# Altium PCB STM32F207VC.PcbDoc (part 15 of 16) (continued)
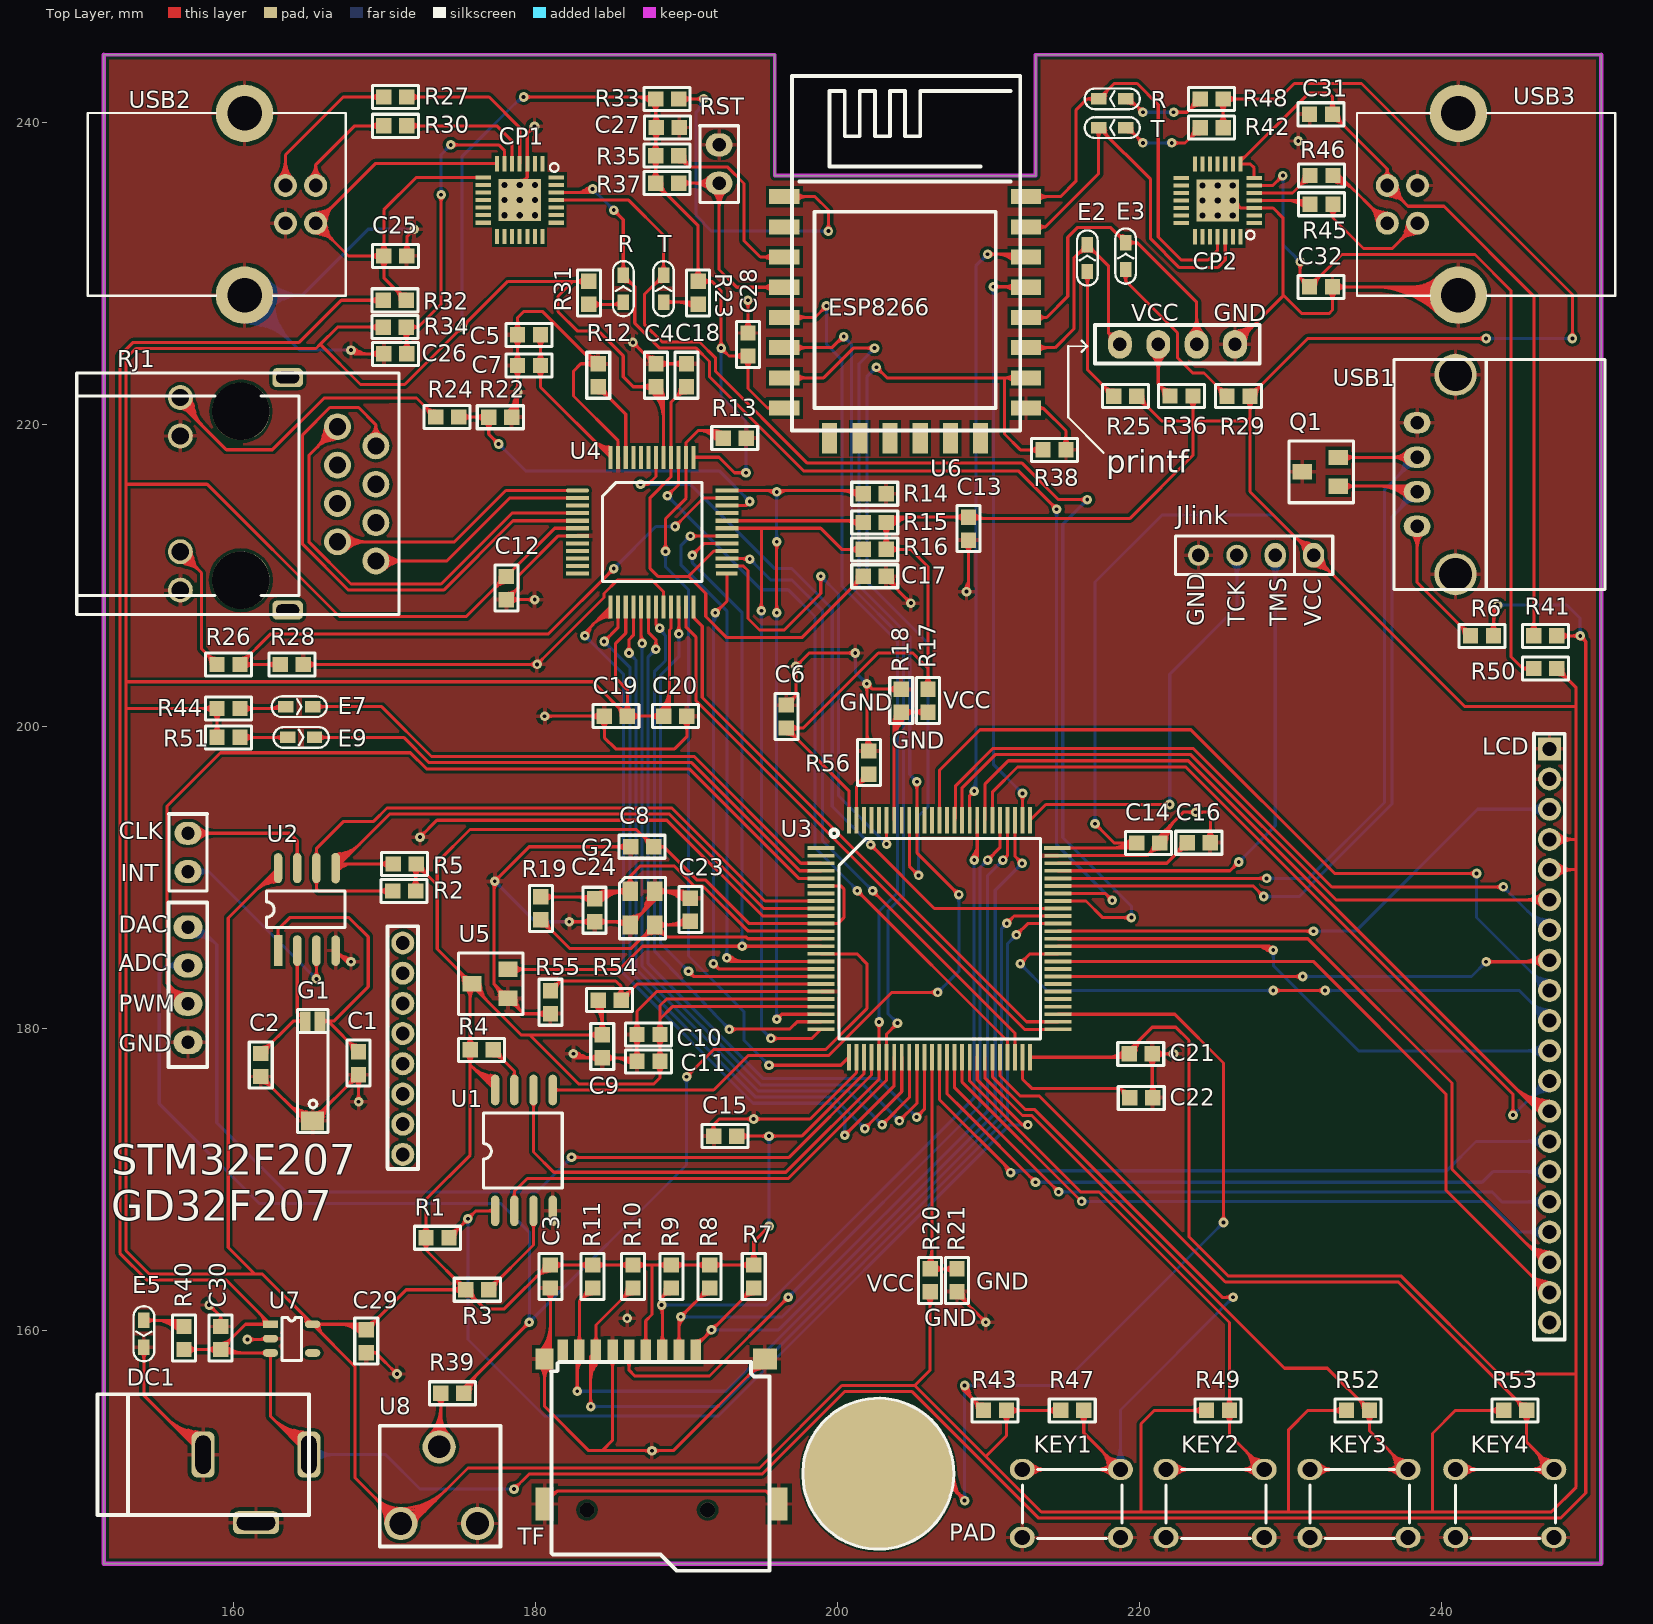
[diagram p0: Top Layer view]
## Nets (pads, with @x,y where several pads share a name; then routed paths per layer and width w, separated by ;. In a path a pad name is that pad's centre, name@x,y a point inside that pad or via, vN(x,y) a via of type N, cw(c..) or ccw(c..) an arc to the next point about the centre after c; other vN are vias at no path point) (continued)
; C15.1@193.599,172.566 cw(c194.293,171.872) 194.293,172.853 ; C15.1@193.599,172.566 cw(c194.293,171.872) 194.293,172.853 ; C15.1@193.599,173.14 ccw(c194.293,173.834) 194.293,172.853 ; C15.1@193.599,173.14 ccw(c194.293,173.834) 194.293,172.853 ; C15.1@193.599,173.14 ccw(c194.293,173.834) 194.293,172.853 ; C15.1@193.599,173.14 ccw(c194.293,173.834) 194.293,172.853 ; C28.1@193.775,224.231 cw(c193.081,223.537) 194.062,223.537 ; C28.1@193.775,224.231 cw(c193.081,223.537) 194.062,223.537 ; C28.1@193.775,224.231 cw(c193.081,223.537) 194.062,223.537 ; C28.1@193.775,224.231 cw(c193.081,223.537) 194.062,223.537 ; 194.062,223.537 cw(c195.043,223.537) C28.1@194.349,224.231 ; 194.062,223.537 cw(c195.043,223.537) C28.1@194.349,224.231 ; 194.062,223.537 cw(c195.043,223.537) C28.1@194.349,224.231 ; 194.062,223.537 cw(c195.043,223.537) C28.1@194.349,224.231 ; R7.2@194.156,164.608 ccw(c193.462,165.302) 194.443,165.302 ; R7.2@194.156,164.608 ccw(c193.462,165.302) 194.443,165.302 ; R7.2@194.156,164.608 ccw(c193.462,165.302) 194.443,165.302 ; R7.2@194.156,164.608 ccw(c193.462,165.302) 194.443,165.302 ; 194.443,165.302 ccw(c195.424,165.302) R7.2@194.73,164.608 ; 194.443,165.302 ccw(c195.424,165.302) R7.2@194.73,164.608 ; 194.443,165.302 ccw(c195.424,165.302) R7.2@194.73,164.608 ; 194.443,165.302 ccw(c195.424,165.302) R7.2@194.73,164.608 ; 194.932,172.853 cw(c194.932,172.332) v1@195.3,172.7 ; 194.932,172.853 ccw(c194.932,173.374) v1@195.3,173.006 ; 194.932,172.853 cw(c194.932,172.332) v1@195.3,172.7 ; 194.932,172.853 ccw(c194.932,173.374) v1@195.3,173.006 ; 194.932,172.853 ccw(c194.932,173.374) v1@195.3,173.006 ; 194.932,172.853 cw(c194.932,172.332) v1@195.3,172.7 ; 194.932,172.853 ccw(c194.932,173.374) v1@195.3,173.006 ; 194.932,172.853 cw(c194.932,172.332) v1@195.3,172.7 ; 195.084,166.509 cw(c195.453,166.141) v1@195.453,166.662 ; 195.084,166.509 ccw(c194.716,166.878) v1@195.237,166.878 ; 195.084,166.509 cw(c195.453,166.141) v1@195.453,166.662 ; 195.084,166.509 ccw(c194.716,166.878) v1@195.237,166.878 ; 195.084,166.509 ccw(c194.716,166.878) v1@195.237,166.878 ; 195.084,166.509 cw(c195.453,166.141) v1@195.453,166.662 ; 195.084,166.509 ccw(c194.716,166.878) v1@195.237,166.878 ; 195.084,166.509 cw(c195.453,166.141) v1@195.453,166.662 ; 195.159,166.586 cw(c195.533,166.486) v1@195.456,166.866 ; 195.159,166.586 cw(c195.533,166.486) v1@195.456,166.866 ; 195.159,166.586 cw(c195.533,166.486) v1@195.456,166.866 ; 195.159,166.586 cw(c195.533,166.486) v1@195.456,166.866 ; 195.159,166.586 cw(c195.533,166.486) v1@195.456,166.866 ; 195.159,166.586 cw(c195.533,166.486) v1@195.456,166.866 ; 195.161,166.584 ccw(c195.061,166.958) v1@195.441,166.881 ; 195.161,166.584 ccw(c195.061,166.958) v1@195.441,166.881 ; 195.161,166.584 ccw(c195.061,166.958) v1@195.441,166.881 ; 195.161,166.584 ccw(c195.061,166.958) v1@195.441,166.881 ; 195.161,166.584 ccw(c195.061,166.958) v1@195.441,166.881 ; 195.161,166.584 ccw(c195.061,166.958) v1@195.441,166.881 ; 195.357,221.077 cw(c195.357,220.804) U6.8@195.605,220.915 ; 195.357,221.077 ccw(c195.357,221.349) U6.8@195.605,221.238 ; 195.357,221.077 cw(c195.357,220.804) U6.8@195.605,220.915 ; 195.357,221.077 ccw(c195.357,221.349) U6.8@195.605,221.238 ; 195.357,221.077 ccw(c195.357,221.349) U6.8@195.605,221.238 ; 195.357,221.077 cw(c195.357,220.804) U6.8@195.605,220.915 ; 195.357,221.077 ccw(c195.357,221.349) U6.8@195.605,221.238 ; 195.357,221.077 cw(c195.357,220.804) U6.8@195.605,220.915 ; v1@195.606,172.7 cw(c195.974,172.332) 195.974,172.853 ; v1@195.606,172.7 cw(c195.974,172.332) 195.974,172.853 ; v1@195.606,172.7 cw(c195.974,172.332) 195.974,172.853 ; v1@195.606,172.7 cw(c195.974,172.332) 195.974,172.853 ; v1@195.606,173.006 ccw(c195.974,173.374) 195.974,172.853 ; v1@195.606,173.006 ccw(c195.974,173.374) 195.974,172.853 ; v1@195.606,173.006 ccw(c195.974,173.374) 195.974,172.853 ; v1@195.606,173.006 ccw(c195.974,173.374) 195.974,172.853 ; C6.1@196.602,199.474 cw(c196.602,198.493) 197.296,199.187 ; C6.1@196.602,199.474 cw(c196.602,198.493) 197.296,199.187 ; C6.1@196.602,199.474 cw(c196.602,198.493) 197.296,199.187 ; C6.1@196.602,199.474 cw(c196.602,198.493) 197.296,199.187 ; C6.1@196.602,199.881 cw(c196.459,199.185) 197.146,199.369 ; C6.1@196.602,199.881 ccw(c197.298,200.023) 197.114,199.337 ; C6.1@196.602,199.881 ccw(c197.298,200.023) 197.114,199.337 ; C6.1@196.602,199.881 cw(c196.459,199.185) 197.146,199.369 ; C6.1@196.602,199.881 ccw(c197.298,200.023) 197.114,199.337 ; C6.1@196.602,199.881 cw(c196.459,199.185) 197.146,199.369 ; C6.1@196.602,199.881 cw(c196.459,199.185) 197.146,199.369 ; C6.1@196.602,199.881 ccw(c197.298,200.023) 197.114,199.337 ; C6.1@196.602,199.881 cw(c196.459,199.185) 197.146,199.369 ; C6.1@196.602,199.881 ccw(c197.298,200.023) 197.114,199.337 ; C6.1@196.602,199.881 ccw(c197.298,200.023) 197.114,199.337 ; C6.1@196.602,199.881 cw(c196.459,199.185) 197.146,199.369 ; C6.1@196.602,199.881 197.722,199.881 202.692,204.851 204.978,204.851 205.988,203.841 ; C6.1@196.889,199.593 cw(c197.583,198.899) 197.583,199.881 ; C6.1@196.889,199.593 cw(c197.583,198.899) 197.583,199.881 ; C6.1@196.889,199.593 cw(c197.583,198.899) 197.583,199.881 ; C6.1@196.889,199.593 cw(c197.583,198.899) 197.583,199.881 ; C6.1@196.889,200.168 ccw(c197.583,200.862) 197.583,199.881 ; C6.1@196.889,200.168 ccw(c197.583,200.862) 197.583,199.881 ; C6.1@196.889,200.168 ccw(c197.583,200.862) 197.583,199.881 ; C6.1@196.889,200.168 ccw(c197.583,200.862) 197.583,199.881 ; C6.1@197.008,199.881 ccw(c197.989,199.881) 197.296,199.187 ; C6.1@197.008,199.881 ccw(c197.989,199.881) 197.296,199.187 ; C6.1@197.008,199.881 ccw(c197.989,199.881) 197.296,199.187 ; C6.1@197.008,199.881 ccw(c197.989,199.881) 197.296,199.187 ; R16.1@202.93,212.002 ccw(c202.236,212.696) 203.217,212.696 ; R16.1@202.93,212.002 ccw(c202.236,212.696) 203.217,212.696 ; R16.1@202.93,212.002 ccw(c202.236,212.696) 203.217,212.696 ; R16.1@202.93,212.002 ccw(c202.236,212.696) 203.217,212.696 ; R15.1@202.93,213.206 cw(c202.236,212.512) 203.217,212.512 ; R15.1@202.93,213.206 cw(c202.236,212.512) 203.217,212.512 ; R15.1@202.93,213.206 cw(c202.236,212.512) 203.217,212.512 ; R15.1@202.93,213.206 cw(c202.236,212.512) 203.217,212.512 ; R15.1@203.074,213.637 cw(c203.59,213.12) R15.1@203.59,213.851 ; R15.1@203.074,213.637 cw(c203.59,213.12) R15.1@203.59,213.851 ; R15.1@203.074,213.637 cw(c203.59,213.12) R15.1@203.59,213.851 ; R15.1@203.074,213.637 cw(c203.59,213.12) R15.1@203.59,213.851 ; 203.217,212.512 cw(c204.199,212.512) R15.1@203.505,213.206 ; 203.217,212.512 cw(c204.199,212.512) R15.1@203.505,213.206 ; 203.217,212.512 cw(c204.199,212.512) R15.1@203.505,213.206 ; 203.217,212.512 cw(c204.199,212.512) R15.1@203.505,213.206 ; 203.217,212.696 ccw(c204.199,212.696) R16.1@203.505,212.002 ; 203.217,212.696 ccw(c204.199,212.696) R16.1@203.505,212.002 ; 203.217,212.696 ccw(c204.199,212.696) R16.1@203.505,212.002 ; 203.217,212.696 ccw(c204.199,212.696) R16.1@203.505,212.002 ; R15.1@203.217,213.493 cw(c204.081,212.629) 204.081,213.851 ; R15.1@203.217,213.493 ccw(c203.551,213.716) 203.771,213.38 ; R15.1@203.217,213.493 ccw(c203.551,213.716) 203.771,213.38 ; R15.1@203.217,213.493 cw(c204.081,212.629) 204.081,213.851 ; R15.1@203.217,213.493 cw(c204.081,212.629) 204.081,213.851 ; R15.1@203.217,213.493 ccw(c203.551,213.716) 203.771,213.38 ; R15.1@203.217,213.493 ccw(c203.551,213.716) 203.771,213.38 ; R15.1@203.217,213.493 ccw(c203.551,213.716) 203.771,213.38 ; R15.1@203.217,213.493 cw(c204.081,212.629) 204.081,213.851 ; R15.1@203.217,213.493 R16.1@203.217,211.715 204.845,211.715 205.988,210.572 205.988,203.841 ; R15.1@203.217,213.493 203.575,213.851 C13.2@208.667,213.851 208.764,213.754 219.342,213.754 223.537,217.949 223.537,220.218 ; R15.1@203.354,213.643 ccw(c203.604,213.918) 203.789,213.596 ; R15.1@203.354,213.643 ccw(c203.604,213.918) 203.789,213.596 ; R15.1@203.354,213.643 ccw(c203.604,213.918) 203.789,213.596 ; R15.1@203.354,213.643 ccw(c203.604,213.918) 203.789,213.596 ; R15.1@203.354,213.643 ccw(c203.604,213.918) 203.789,213.596 ; R15.1@203.354,213.643 ccw(c203.604,213.918) 203.789,213.596 ; R15.1@203.361,213.349 cw(c204.571,212.139) 204.571,213.851 ; R15.1@203.361,213.349 cw(c204.571,212.139) 204.571,213.851 ; R15.1@203.361,213.349 cw(c204.571,212.139) 204.571,213.851 ; R15.1@203.361,213.349 cw(c204.571,212.139) 204.571,213.851 ; R15.1@203.386,213.606 ccw(c203.722,213.83) 203.943,213.492 ; R15.1@203.386,213.606 ccw(c203.722,213.83) 203.943,213.492 ; R15.1@203.386,213.606 ccw(c203.722,213.83) 203.943,213.492 ; R15.1@203.386,213.606 ccw(c203.722,213.83) 203.943,213.492 ; R15.1@203.386,213.606 ccw(c203.722,213.83) 203.943,213.492 ; R15.1@203.453,213.824 ccw(c203.621,214.059) 203.765,213.809 ; R15.1@203.453,213.824 ccw(c203.621,214.059) 203.765,213.809 ; R15.1@203.453,213.824 ccw(c203.621,214.059) 203.765,213.809 ; R15.1@203.453,213.824 ccw(c203.621,214.059) 203.765,213.809 ; R15.1@203.453,213.824 ccw(c203.621,214.059) 203.765,213.809 ; R15.1@203.453,213.824 ccw(c203.621,214.059) 203.765,213.809 ; R15.1@203.491,213.794 ccw(c203.8,214.134) 204.03,213.736 ; R15.1@203.491,213.794 ccw(c203.8,214.134) 204.03,213.736 ; R15.1@203.491,213.794 ccw(c203.8,214.134) 204.03,213.736 ; R15.1@203.491,213.794 ccw(c203.8,214.134) 204.03,213.736 ; R15.1@203.491,213.794 ccw(c203.8,214.134) 204.03,213.736 ; R15.1@203.491,213.794 ccw(c203.8,214.134) 204.03,213.736 ; R16.1@203.505,211.428 cw(c204.199,210.734) 204.199,211.715 ; R16.1@203.505,211.428 cw(c204.199,210.734) 204.199,211.715 ; R16.1@203.505,211.428 cw(c204.199,210.734) 204.199,211.715 ; R16.1@203.505,211.428 cw(c204.199,210.734) 204.199,211.715 ; R16.1@203.505,212.002 ccw(c204.199,212.696) 204.199,211.715 ; R16.1@203.505,212.002 ccw(c204.199,212.696) 204.199,211.715 ; R16.1@203.505,212.002 ccw(c204.199,212.696) 204.199,211.715 ; R16.1@203.505,212.002 ccw(c204.199,212.696) 204.199,211.715 ; R15.1@203.505,213.206 cw(c205.062,211.648) 205.062,213.851 ; R15.1@203.505,213.206 cw(c205.062,211.648) 205.062,213.851 ; R15.1@203.505,213.206 cw(c205.062,211.648) 205.062,213.851 ; R15.1@203.505,213.206 cw(c205.062,211.648) 205.062,213.851 ; R15.1@203.555,213.719 ccw(c203.893,213.944) 204.115,213.604 ; R15.1@203.555,213.719 ccw(c203.893,213.944) 204.115,213.604 ; R15.1@203.555,213.719 ccw(c203.893,213.944) 204.115,213.604 ; R15.1@203.555,213.719 ccw(c203.893,213.944) 204.115,213.604 ; R15.1@203.555,213.719 ccw(c203.893,213.944) 204.115,213.604 ; R15.1@203.61,213.388 cw(c203.91,213.307) 203.755,213.577 ; R15.1@203.61,213.388 cw(c203.91,213.307) 203.755,213.577 ; R15.1@203.61,213.388 cw(c203.91,213.307) 203.755,213.577 ; R15.1@203.61,213.388 cw(c203.91,213.307) 203.755,213.577 ; R15.1@203.61,213.388 cw(c203.91,213.307) 203.755,213.577 ; R15.1@203.61,213.388 cw(c203.91,213.307) 203.755,213.577 ; R15.1@203.622,213.532 cw(c203.909,213.559) 203.765,213.809 ; R15.1@203.622,213.532 cw(c203.909,213.559) 203.765,213.809 ; R15.1@203.622,213.532 cw(c203.909,213.559) 203.765,213.809 ; R15.1@203.622,213.532 cw(c203.909,213.559) 203.765,213.809 ; R15.1@203.622,213.532 cw(c203.909,213.559) 203.765,213.809 ; R15.1@203.622,213.532 cw(c203.909,213.559) 203.765,213.809 ; 205.105,156.337 209.804,151.638 ; R17.1@205.701,202.743 ccw(c205.007,203.437) 205.988,203.437 ; R17.1@205.701,202.743 ccw(c205.007,203.437) 205.988,203.437 ; R17.1@205.701,202.743 ccw(c205.007,203.437) 205.988,203.437 ; R17.1@205.701,202.743 ccw(c205.007,203.437) 205.988,203.437 ; R20.1@205.84,162.255 cw(c205.146,161.561) 206.127,161.561 ; R20.1@205.84,162.255 cw(c205.146,161.561) 206.127,161.561 ; R20.1@205.84,162.255 cw(c205.146,161.561) 206.127,161.561 ; R20.1@205.84,162.255 cw(c205.146,161.561) 206.127,161.561 ; 205.988,203.437 ccw(c206.969,203.437) R17.1@206.275,202.743 ; 205.988,203.437 ccw(c206.969,203.437) R17.1@206.275,202.743 ; 205.988,203.437 ccw(c206.969,203.437) R17.1@206.275,202.743 ; 205.988,203.437 ccw(c206.969,203.437) R17.1@206.275,202.743 ; 206.127,161.561 cw(c207.108,161.561) R20.1@206.414,162.255 ; 206.127,161.561 cw(c207.108,161.561) R20.1@206.414,162.255 ; 206.127,161.561 cw(c207.108,161.561) R20.1@206.414,162.255 ; 206.127,161.561 cw(c207.108,161.561) R20.1@206.414,162.255 ; 207.686,213.851 cw(c207.686,212.869) C13.2@208.38,213.563 ; 207.686,213.851 ccw(c207.686,214.832) C13.2@208.38,214.138 ; 207.686,213.851 cw(c207.686,212.869) C13.2@208.38,213.563 ; 207.686,213.851 ccw(c207.686,214.832) C13.2@208.38,214.138 ; 207.686,213.851 ccw(c207.686,214.832) C13.2@208.38,214.138 ; 207.686,213.851 cw(c207.686,212.869) C13.2@208.38,213.563 ; 207.686,213.851 ccw(c207.686,214.832) C13.2@208.38,214.138 ; 207.686,213.851 cw(c207.686,212.869) C13.2@208.38,213.563 ; C13.2@208.811,213.994 ccw(c209.392,214.575) 209.392,213.754 ; C13.2@208.811,213.994 ccw(c209.392,214.575) 209.392,213.754 ; C13.2@208.811,213.994 ccw(c209.392,214.575) 209.392,213.754 ; C13.2@208.811,213.994 ccw(c209.392,214.575) 209.392,213.754 ; C13.2@208.954,213.563 cw(c209.414,213.103) 209.414,213.754 ; C13.2@208.954,213.563 cw(c209.414,213.103) 209.414,213.754 ; C13.2@208.954,213.563 cw(c209.414,213.103) 209.414,213.754 ; C13.2@208.954,213.563 cw(c209.414,213.103) 209.414,213.754 ; C13.2@208.954,214.138 ccw(c209.882,215.066) 209.882,213.754 ; C13.2@208.954,214.138 ccw(c209.882,215.066) 209.882,213.754 ; C13.2@208.954,214.138 ccw(c209.882,215.066) 209.882,213.754 ; C13.2@208.954,214.138 ccw(c209.882,215.066) 209.882,213.754 ; 209.804,151.638 213.487,147.955 220.091,147.955 ; R43.2@210.896,154.405 cw(c210.202,153.711) 211.184,153.711 ; R43.2@210.896,154.405 cw(c210.202,153.711) 211.184,153.711 ; R43.2@210.896,154.405 cw(c210.202,153.711) 211.184,153.711 ; R43.2@210.896,154.405 cw(c210.202,153.711) 211.184,153.711 ; 211.184,153.711 cw(c212.165,153.711) R43.2@211.471,154.405 ; 211.184,153.711 cw(c212.165,153.711) R43.2@211.471,154.405 ; 211.184,153.711 cw(c212.165,153.711) R43.2@211.471,154.405 ; 211.184,153.711 cw(c212.165,153.711) R43.2@211.471,154.405 ; R43.2@211.471,154.405 cw(c212.165,153.711) 212.165,154.692 ; R43.2@211.471,154.405 cw(c212.165,153.711) 212.165,154.692 ; R43.2@211.471,154.405 cw(c212.165,153.711) 212.165,154.692 ; R43.2@211.471,154.405 cw(c212.165,153.711) 212.165,154.692 ; R43.2@211.471,154.979 ccw(c212.165,155.673) 212.165,154.692 ; R43.2@211.471,154.979 ccw(c212.165,155.673) 212.165,154.692 ; R43.2@211.471,154.979 ccw(c212.165,155.673) 212.165,154.692 ; R43.2@211.471,154.979 ccw(c212.165,155.673) 212.165,154.692 ; 213.793,154.692 cw(c213.793,153.711) R47.2@214.487,154.405 ; 213.793,154.692 ccw(c213.793,155.673) R47.2@214.487,154.979 ; 213.793,154.692 cw(c213.793,153.711) R47.2@214.487,154.405 ; 213.793,154.692 ccw(c213.793,155.673) R47.2@214.487,154.979 ; 213.793,154.692 ccw(c213.793,155.673) R47.2@214.487,154.979 ; 213.793,154.692 cw(c213.793,153.711) R47.2@214.487,154.405 ; 213.793,154.692 ccw(c213.793,155.673) R47.2@214.487,154.979 ; 213.793,154.692 cw(c213.793,153.711) R47.2@214.487,154.405 ; v1@217.04,193.536 cw(c216.963,193.156) 217.337,193.256 ; v1@217.04,193.536 cw(c216.963,193.156) 217.337,193.256 ; v1@217.04,193.536 cw(c216.963,193.156) 217.337,193.256 ; v1@217.04,193.536 cw(c216.963,193.156) 217.337,193.256 ; v1@217.04,193.536 cw(c216.963,193.156) 217.337,193.256 ; v1@217.04,193.536 cw(c216.963,193.156) 217.337,193.256 ; v1@217.043,193.332 cw(c217.043,192.811) 217.412,193.179 ; v1@217.043,193.332 cw(c217.043,192.811) 217.412,193.179 ; v1@217.043,193.332 cw(c217.043,192.811) 217.412,193.179 ; v1@217.043,193.332 cw(c217.043,192.811) 217.412,193.179 ; v1@217.055,193.551 ccw(c217.435,193.628) 217.335,193.254 ; v1@217.055,193.551 ccw(c217.435,193.628) 217.335,193.254 ; v1@217.055,193.551 ccw(c217.435,193.628) 217.335,193.254 ; v1@217.055,193.551 ccw(c217.435,193.628) 217.335,193.254 ; v1@217.055,193.551 ccw(c217.435,193.628) 217.335,193.254 ; v1@217.055,193.551 ccw(c217.435,193.628) 217.335,193.254 ; v1@217.259,193.548 ccw(c217.78,193.548) 217.412,193.179 ; v1@217.259,193.548 ccw(c217.78,193.548) 217.412,193.179 ; v1@217.259,193.548 ccw(c217.78,193.548) 217.412,193.179 ; v1@217.259,193.548 ccw(c217.78,193.548) 217.412,193.179 ; 217.789,178.078 ccw(c217.789,179.824) C21.1@219.024,178.589 ; 217.789,178.078 ccw(c217.789,179.824) C21.1@219.024,178.589 ; 217.789,178.078 ccw(c217.789,179.824) C21.1@219.024,178.589 ; 217.789,178.078 ccw(c217.789,179.824) C21.1@219.024,178.589 ; 218.008,191.928 ccw(c218.008,194.084) C14.1@219.532,192.559 ; 218.008,191.928 ccw(c218.008,194.084) C14.1@219.532,192.559 ; 218.008,191.928 ccw(c218.008,194.084) C14.1@219.532,192.559 ; 218.008,191.928 ccw(c218.008,194.084) C14.1@219.532,192.559 ; 218.28,178.078 ccw(c218.28,179.334) C21.1@219.168,178.446 ; 218.28,178.078 ccw(c218.28,179.334) C21.1@219.168,178.446 ; 218.28,178.078 ccw(c218.28,179.334) C21.1@219.168,178.446 ; 218.28,178.078 ccw(c218.28,179.334) C21.1@219.168,178.446 ; 218.498,191.928 ccw(c218.498,193.593) C14.1@219.676,192.416 ; 218.498,191.928 ccw(c218.498,193.593) C14.1@219.676,192.416 ; 218.498,191.928 ccw(c218.498,193.593) C14.1@219.676,192.416 ; 218.498,191.928 ccw(c218.498,193.593) C14.1@219.676,192.416 ; 218.771,178.078 ccw(c218.771,178.843) C21.1@219.312,178.302 ; 218.771,178.078 ccw(c218.771,178.843) C21.1@219.312,178.302 ; 218.771,178.078 ccw(c218.771,178.843) C21.1@219.312,178.302 ; 218.771,178.078 ccw(c218.771,178.843) C21.1@219.312,178.302 ; 218.774,178.218 ccw(c218.619,178.488) C21.1@218.919,178.407 ; 218.774,178.218 ccw(c218.619,178.488) C21.1@218.919,178.407 ; 218.774,178.218 ccw(c218.619,178.488) C21.1@218.919,178.407 ; 218.774,178.218 ccw(c218.619,178.488) C21.1@218.919,178.407 ; 218.774,178.218 ccw(c218.619,178.488) C21.1@218.919,178.407 ; 218.774,178.218 ccw(c218.619,178.488) C21.1@218.919,178.407 ; 218.838,192.272 cw(c218.838,191.291) C14.1@219.532,191.985 ; 218.838,192.272 ccw(c218.838,193.253) C14.1@219.532,192.559 ; 218.838,192.272 cw(c218.838,191.291) C14.1@219.532,191.985 ; 218.838,192.272 ccw(c218.838,193.253) C14.1@219.532,192.559 ; 218.838,192.272 ccw(c218.838,193.253) C14.1@219.532,192.559 ; 218.838,192.272 cw(c218.838,191.291) C14.1@219.532,191.985 ; 218.838,192.272 ccw(c218.838,193.253) C14.1@219.532,192.559 ; 218.838,192.272 cw(c218.838,191.291) C14.1@219.532,191.985 ; 218.924,192.166 cw(c219.143,191.828) C14.1@219.48,192.049 ; 218.924,192.166 cw(c219.143,191.828) C14.1@219.48,192.049 ; 218.924,192.166 cw(c219.143,191.828) C14.1@219.48,192.049 ; 218.924,192.166 cw(c219.143,191.828) C14.1@219.48,192.049 ; 218.924,192.166 cw(c219.143,191.828) C14.1@219.48,192.049 ; 218.989,191.928 ccw(c218.989,193.103) C14.1@219.82,192.272 ; 218.989,191.928 ccw(c218.989,193.103) C14.1@219.82,192.272 ; 218.989,191.928 ccw(c218.989,193.103) C14.1@219.82,192.272 ; 218.989,191.928 ccw(c218.989,193.103) C14.1@219.82,192.272 ; 219.028,192.041 cw(c219.241,191.671) C14.1@219.538,191.979 ; 219.028,192.041 cw(c219.241,191.671) C14.1@219.538,191.979 ; 219.028,192.041 cw(c219.241,191.671) C14.1@219.538,191.979 ; 219.028,192.041 cw(c219.241,191.671) C14.1@219.538,191.979 ; 219.028,192.041 cw(c219.241,191.671) C14.1@219.538,191.979 ; 219.028,192.041 cw(c219.241,191.671) C14.1@219.538,191.979 ; 219.096,192.277 cw(c219.314,191.94) C14.1@219.65,192.16 ; 219.096,192.277 cw(c219.314,191.94) C14.1@219.65,192.16 ; 219.096,192.277 cw(c219.314,191.94) C14.1@219.65,192.16 ; 219.096,192.277 cw(c219.314,191.94) C14.1@219.65,192.16 ; 219.096,192.277 cw(c219.314,191.94) C14.1@219.65,192.16 ; 219.262,192.176 cw(c219.436,191.874) C14.1@219.679,192.126 ; 219.262,192.176 cw(c219.436,191.874) C14.1@219.679,192.126 ; 219.262,192.176 cw(c219.436,191.874) C14.1@219.679,192.126 ; 219.262,192.176 cw(c219.436,191.874) C14.1@219.679,192.126 ; 219.262,192.176 cw(c219.436,191.874) C14.1@219.679,192.126 ; 219.262,192.176 cw(c219.436,191.874) C14.1@219.679,192.126 ; 219.268,192.388 cw(c219.485,192.052) C14.1@219.82,192.272 ; 219.268,192.388 cw(c219.485,192.052) C14.1@219.82,192.272 ; 219.268,192.388 cw(c219.485,192.052) C14.1@219.82,192.272 ; 219.268,192.388 cw(c219.485,192.052) C14.1@219.82,192.272 ; 219.268,192.388 cw(c219.485,192.052) C14.1@219.82,192.272 ; C21.1@219.276,178.502 ccw(c219.188,178.987) 219.664,178.859 ; C21.1@219.276,178.502 ccw(c219.188,178.987) 219.664,178.859 ; C21.1@219.276,178.502 ccw(c219.188,178.987) 219.664,178.859 ; C21.1@219.276,178.502 ccw(c219.188,178.987) 219.664,178.859 ; C21.1@219.276,178.502 ccw(c219.188,178.987) 219.664,178.859 ; C21.1@219.276,178.502 ccw(c219.188,178.987) 219.664,178.859 ; 219.282,192.188 ccw(c219.127,192.458) C14.1@219.427,192.377 ; 219.282,192.188 ccw(c219.127,192.458) C14.1@219.427,192.377 ; 219.282,192.188 ccw(c219.127,192.458) C14.1@219.427,192.377 ; 219.282,192.188 ccw(c219.127,192.458) C14.1@219.427,192.377 ; 219.282,192.188 ccw(c219.127,192.458) C14.1@219.427,192.377 ; 219.282,192.188 ccw(c219.127,192.458) C14.1@219.427,192.377 ; 219.293,191.968 cw(c219.419,191.75) C14.1@219.572,191.95 ; 219.293,191.968 ccw(c219.167,192.186) C14.1@219.417,192.219 ; 219.293,191.968 cw(c219.419,191.75) C14.1@219.572,191.95 ; 219.293,191.968 ccw(c219.167,192.186) C14.1@219.417,192.219 ; 219.293,191.968 cw(c219.419,191.75) C14.1@219.572,191.95 ; 219.293,191.968 ccw(c219.167,192.186) C14.1@219.417,192.219 ; 219.293,191.968 ccw(c219.167,192.186) C14.1@219.417,192.219 ; 219.293,191.968 cw(c219.419,191.75) C14.1@219.572,191.95 ; 219.293,191.968 ccw(c219.167,192.186) C14.1@219.417,192.219 ; 219.293,191.968 cw(c219.419,191.75) C14.1@219.572,191.95 ; 219.293,191.968 ccw(c219.167,192.186) C14.1@219.417,192.219 ; 219.293,191.968 cw(c219.419,191.75) C14.1@219.572,191.95 ; C21.1@219.312,178.302 ccw(c218.948,179.211) 219.894,178.958 ; C21.1@219.312,178.302 ccw(c218.948,179.211) 219.894,178.958 ; C21.1@219.312,178.302 ccw(c218.948,179.211) 219.894,178.958 ; C21.1@219.312,178.302 ccw(c218.948,179.211) 219.894,178.958 ; C21.1@219.312,178.302 ccw(c218.948,179.211) 219.894,178.958 ; C21.1@219.312,178.302 ccw(c218.948,179.211) 219.894,178.958 ; C21.1@219.312,178.302 219.312,178.545 220.833,180.066 222.397,180.066 223.266,179.197 223.266,166.183 225.847,163.601 237.301,163.601 243.803,157.099 248.913,157.099 ; C21.1@219.312,178.708 ccw(c219.312,179.104) 219.591,178.824 ; C21.1@219.312,178.708 ccw(c219.312,179.104) 219.591,178.824 ; C21.1@219.312,178.708 ccw(c219.312,179.104) 219.591,178.824 ; C21.1@219.312,178.708 ccw(c219.312,179.104) 219.591,178.824 ; C21.1@219.387,178.113 ccw(c219.136,178.741) C21.1@219.789,178.566 ; C21.1@219.387,178.113 ccw(c219.136,178.741) C21.1@219.789,178.566 ; C21.1@219.387,178.113 ccw(c219.136,178.741) C21.1@219.789,178.566 ; C21.1@219.387,178.113 ccw(c219.136,178.741) C21.1@219.789,178.566 ; C21.1@219.387,178.113 ccw(c219.136,178.741) C21.1@219.789,178.566 ; C21.1@219.387,178.113 ccw(c219.136,178.741) C21.1@219.789,178.566 ; C21.1@219.515,178.302 cw(c220.591,178.302) 219.83,179.063 ; C21.1@219.515,178.302 cw(c220.591,178.302) 219.83,179.063 ; C21.1@219.515,178.302 cw(c220.591,178.302) 219.83,179.063 ; C21.1@219.515,178.302 cw(c220.591,178.302) 219.83,179.063 ; C21.1@219.633,178.741 ccw(c219.933,178.661) C21.1@219.664,178.505 ; C21.1@219.633,178.741 ccw(c219.933,178.661) C21.1@219.664,178.505 ; C21.1@219.633,178.741 ccw(c219.933,178.661) C21.1@219.664,178.505 ; C21.1@219.633,178.741 ccw(c219.933,178.661) C21.1@219.664,178.505 ; C21.1@219.633,178.741 ccw(c219.933,178.661) C21.1@219.664,178.505 ; C21.1@219.633,178.741 ccw(c219.933,178.661) C21.1@219.664,178.505 ; C21.1@219.718,178.302 cw(c221.285,178.302) 220.177,179.41 ; C21.1@219.718,178.302 cw(c221.285,178.302) 220.177,179.41 ; C21.1@219.718,178.302 cw(c221.285,178.302) 220.177,179.41 ; C21.1@219.718,178.302 cw(c221.285,178.302) 220.177,179.41 ; R25.2@219.82,221.457 cw(c219.82,220.476) 220.513,221.169 ; R25.2@219.82,221.457 cw(c219.82,220.476) 220.513,221.169 ; R25.2@219.82,221.457 cw(c219.82,220.476) 220.513,221.169 ; R25.2@219.82,221.457 cw(c219.82,220.476) 220.513,221.169 ; R25.2@219.82,221.863 cw(c219.677,221.167) 220.363,221.351 ; R25.2@219.82,221.863 ccw(c220.515,222.006) 220.332,221.319 ; R25.2@219.82,221.863 ccw(c220.515,222.006) 220.332,221.319 ; R25.2@219.82,221.863 cw(c219.677,221.167) 220.363,221.351 ; R25.2@219.82,221.863 ccw(c220.515,222.006) 220.332,221.319 ; R25.2@219.82,221.863 cw(c219.677,221.167) 220.363,221.351 ; R25.2@219.82,221.863 cw(c219.677,221.167) 220.363,221.351 ; R25.2@219.82,221.863 ccw(c220.515,222.006) 220.332,221.319 ; R25.2@219.82,221.863 cw(c219.677,221.167) 220.363,221.351 ; R25.2@219.82,221.863 ccw(c220.515,222.006) 220.332,221.319 ; R25.2@219.82,221.863 ccw(c220.515,222.006) 220.332,221.319 ; R25.2@219.82,221.863 cw(c219.677,221.167) 220.363,221.351 ; R25.2@219.82,221.863 221.465,220.218 223.537,220.218 ; 220.091,147.955 229.87,147.955 ; R25.2@220.226,221.863 ccw(c221.207,221.863) 220.513,221.169 ; R25.2@220.226,221.863 ccw(c221.207,221.863) 220.513,221.169 ; R25.2@220.226,221.863 ccw(c221.207,221.863) 220.513,221.169 ; R25.2@220.226,221.863 ccw(c221.207,221.863) 220.513,221.169 ; R36.1@223.25,221.588 cw(c222.556,220.894) 223.537,220.894 ; R36.1@223.25,221.588 cw(c222.556,220.894) 223.537,220.894 ; R36.1@223.25,221.588 cw(c222.556,220.894) 223.537,220.894 ; R36.1@223.25,221.588 cw(c222.556,220.894) 223.537,220.894 ; 223.445,154.692 cw(c223.445,153.711) R49.2@224.139,154.405 ; 223.445,154.692 ccw(c223.445,155.673) R49.2@224.139,154.979 ; 223.445,154.692 cw(c223.445,153.711) R49.2@224.139,154.405 ; 223.445,154.692 ccw(c223.445,155.673) R49.2@224.139,154.979 ; 223.445,154.692 ccw(c223.445,155.673) R49.2@224.139,154.979 ; 223.445,154.692 cw(c223.445,153.711) R49.2@224.139,154.405 ; 223.445,154.692 ccw(c223.445,155.673) R49.2@224.139,154.979 ; 223.445,154.692 cw(c223.445,153.711) R49.2@224.139,154.405 ; 223.537,220.218 227.076,220.218 227.313,220.455 ; 223.537,220.894 cw(c224.519,220.894) R36.1@223.825,221.588 ; 223.537,220.894 cw(c224.519,220.894) R36.1@223.825,221.588 ; 223.537,220.894 cw(c224.519,220.894) R36.1@223.825,221.588 ; 223.537,220.894 cw(c224.519,220.894) R36.1@223.825,221.588 ; R42.2@225.247,239.93 ccw(c224.553,240.624) 225.535,240.624 ; R42.2@225.247,239.93 ccw(c224.553,240.624) 225.535,240.624 ; R42.2@225.247,239.93 ccw(c224.553,240.624) 225.535,240.624 ; R42.2@225.247,239.93 ccw(c224.553,240.624) 225.535,240.624 ; R48.2@225.247,241.261 cw(c224.553,240.567) 225.535,240.567 ; R48.2@225.247,241.261 cw(c224.553,240.567) 225.535,240.567 ; R48.2@225.247,241.261 cw(c224.553,240.567) 225.535,240.567 ; R48.2@225.247,241.261 cw(c224.553,240.567) 225.535,240.567 ; 225.535,240.567 cw(c226.516,240.567) R48.2@225.822,241.261 ; 225.535,240.567 cw(c226.516,240.567) R48.2@225.822,241.261 ; 225.535,240.567 cw(c226.516,240.567) R48.2@225.822,241.261 ; 225.535,240.567 cw(c226.516,240.567) R48.2@225.822,241.261 ; 225.535,240.624 ccw(c226.516,240.624) R42.2@225.822,239.93 ; 225.535,240.624 ccw(c226.516,240.624) R42.2@225.822,239.93 ; 225.535,240.624 ccw(c226.516,240.624) R42.2@225.822,239.93 ; 225.535,240.624 ccw(c226.516,240.624) R42.2@225.822,239.93 ; R48.2@225.822,241.261 cw(c226.516,240.567) 226.516,241.548 ; R48.2@225.822,241.261 cw(c226.516,240.567) 226.516,241.548 ; R48.2@225.822,241.261 cw(c226.516,240.567) 226.516,241.548 ; R48.2@225.822,241.261 cw(c226.516,240.567) 226.516,241.548 ; R48.2@225.822,241.835 ccw(c226.516,242.529) 226.516,241.548 ; R48.2@225.822,241.835 ccw(c226.516,242.529) 226.516,241.548 ; R48.2@225.822,241.835 ccw(c226.516,242.529) 226.516,241.548 ; R48.2@225.822,241.835 ccw(c226.516,242.529) 226.516,241.548 ; R29.2@227.025,221.576 cw(c226.331,220.882) 227.313,220.882 ; R29.2@227.025,221.576 cw(c226.331,220.882) 227.313,220.882 ; R29.2@227.025,221.576 cw(c226.331,220.882) 227.313,220.882 ; R29.2@227.025,221.576 cw(c226.331,220.882) 227.313,220.882 ; 227.313,220.455 227.313,215.536 Jlink.1@231.521,211.328 241.554,201.295 248.913,201.295 ; 227.313,220.455 R29.2@227.313,221.863 ; 227.313,220.882 cw(c228.294,220.882) R29.2@227.6,221.576 ; 227.313,220.882 cw(c228.294,220.882) R29.2@227.6,221.576 ; 227.313,220.882 cw(c228.294,220.882) R29.2@227.6,221.576 ; 227.313,220.882 cw(c228.294,220.882) R29.2@227.6,221.576 ; R29.2@227.313,221.863 cw(c228.008,221.721) 227.825,222.407